# KiCad board final-cu.kicad_pcb
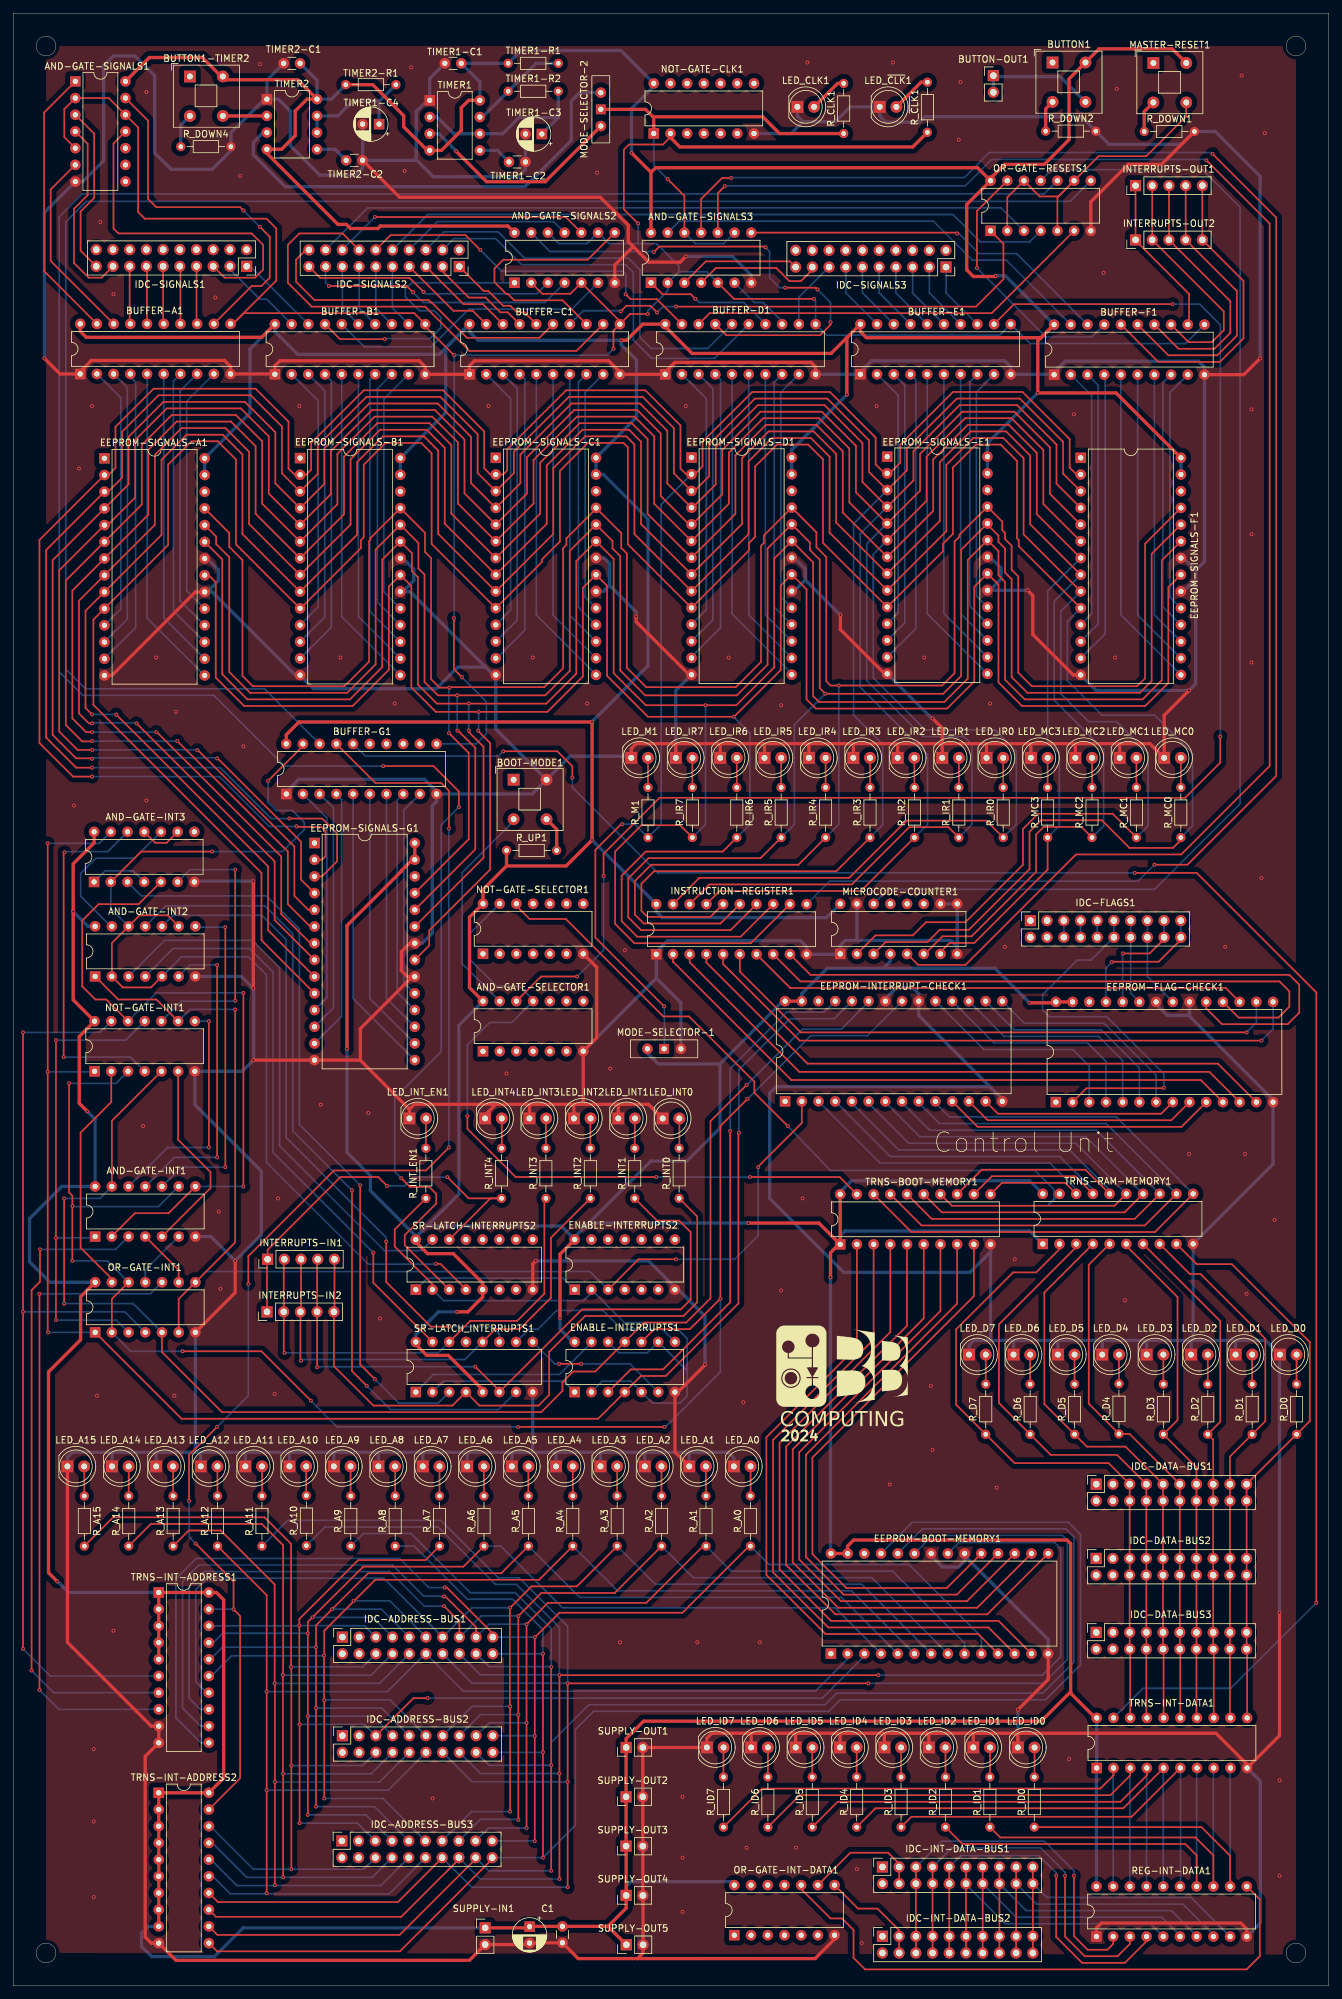
[diagram p0: board, top side]
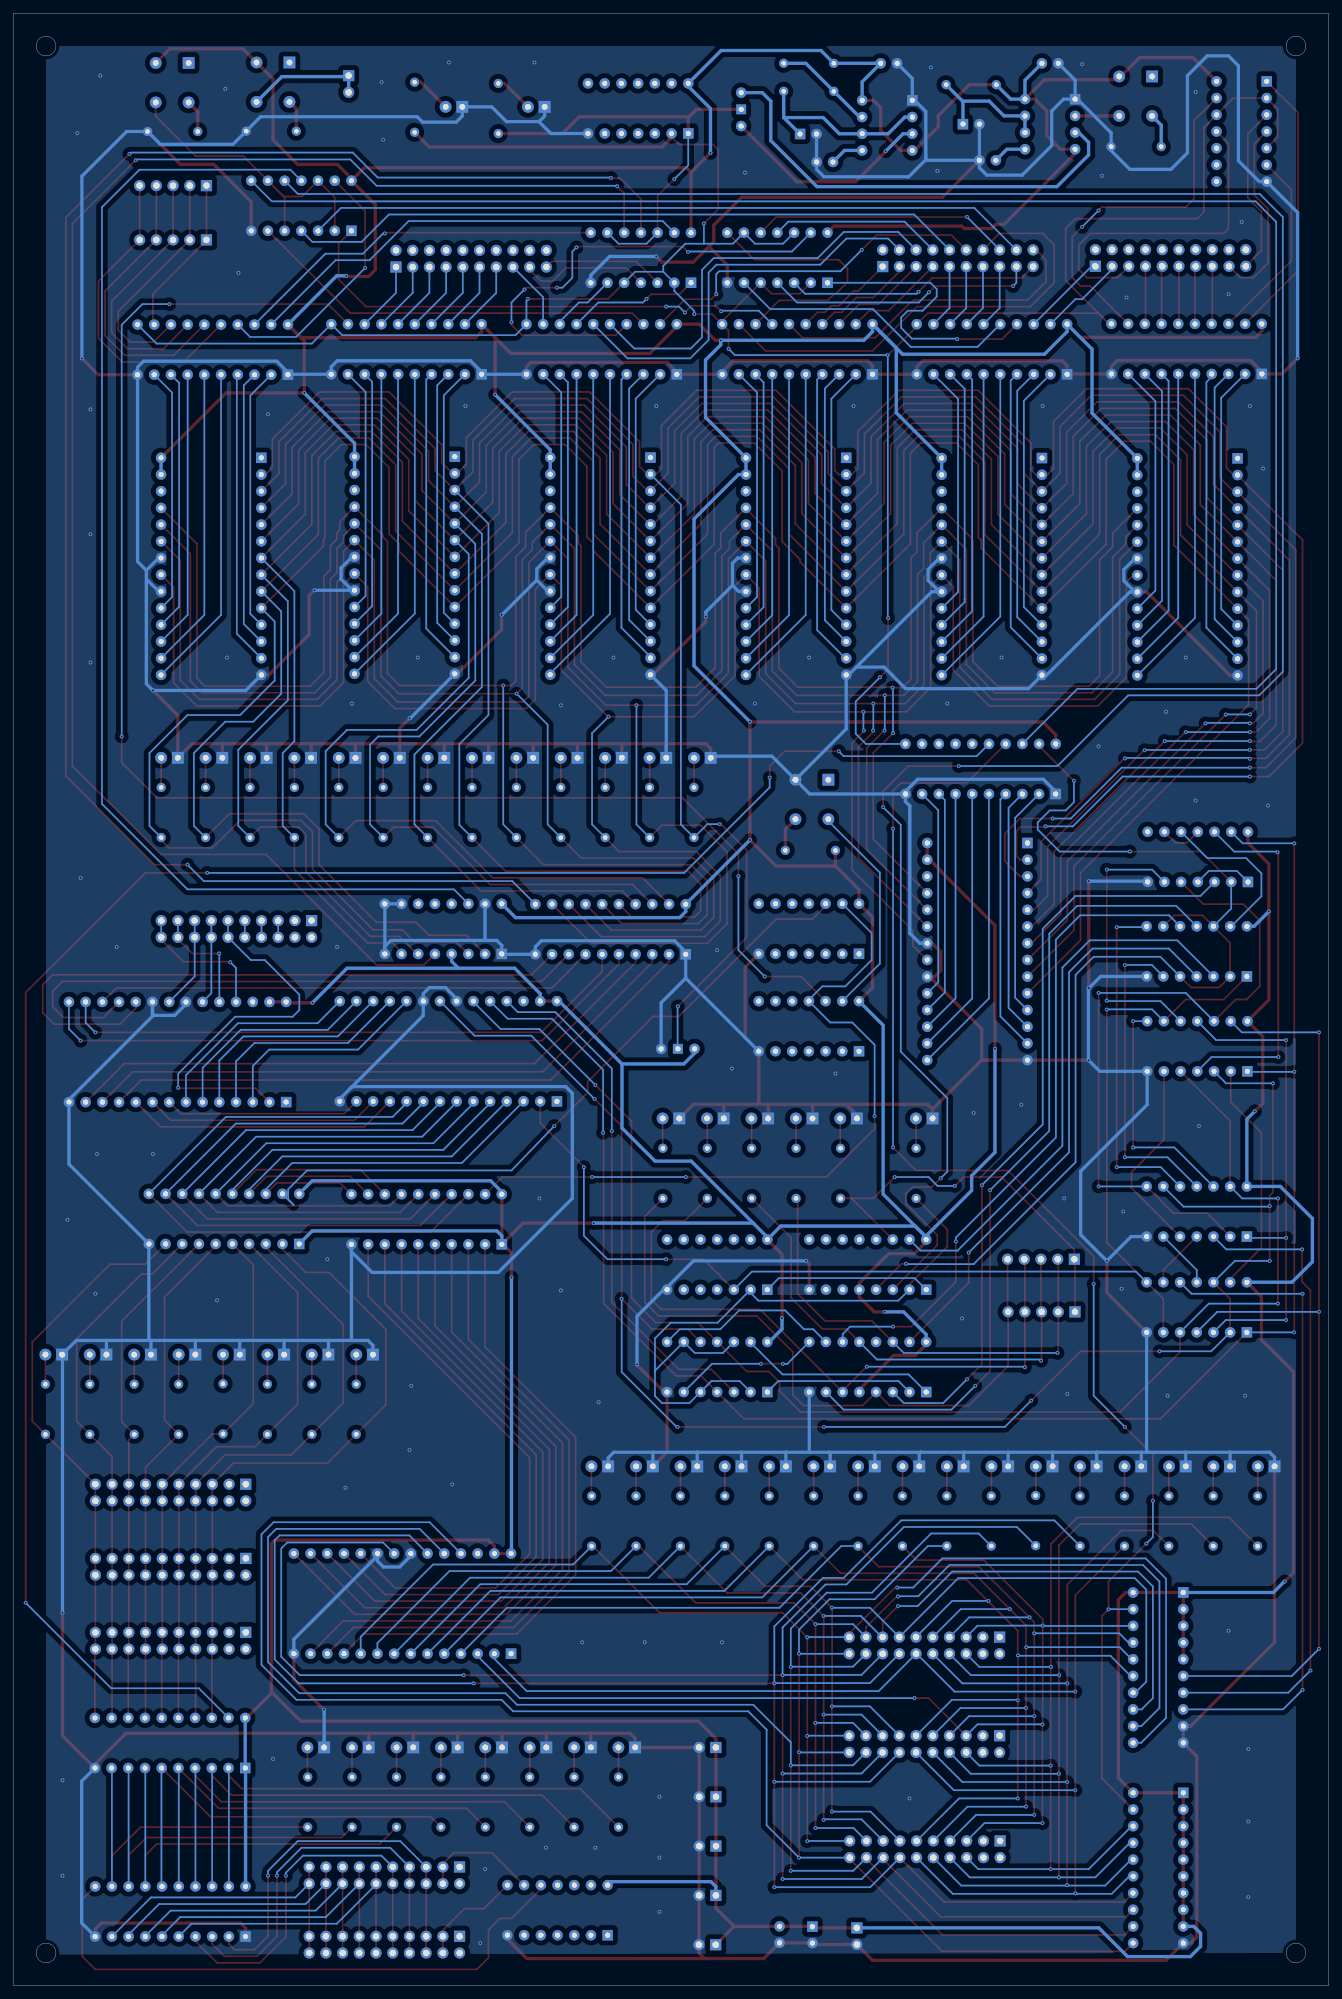
[diagram p1: board, bottom side, seen from below]

Outline 200 x 300 mm; copper layers: Top, Bottom. Coordinates in mm from the lower left corner of the outline.
Outline path: rectangle 0,300 200,0 ; circle c5,295 r1.5 ; circle c5,5 r1.5 ; circle c195,295 r1.5 ; circle c195,5 r1.5
Stack: Top 0.035mm / dielectric 1.51mm FR4 er 4.5 / Bottom 0.035mm

## Placement (name value [footprint] x y rotation side)
AND-GATE-INT1  CD4081BEE4  [DIP-14_W7.62mm]  12.46 113.95 90 top
AND-GATE-INT2  CD4081BEE4  [DIP-14_W7.62mm]  12.46 153.51 90 top
AND-GATE-INT3  CD4081BEE4  [DIP-14_W7.62mm]  12.3 167.88 90 top
AND-GATE-SELECTOR1  CD4081BEE4  [DIP-14_W7.62mm]  71.42 142.13 90 top
AND-GATE-SIGNALS1  CD4081BEE4  [DIP-14_W7.62mm]  9.45 289.62 0 top
AND-GATE-SIGNALS2  CD4081BEE4  [DIP-14_W7.62mm]  76.21 259 90 top
AND-GATE-SIGNALS3  CD4081BEE4  [DIP-14_W7.62mm]  96.96 259 90 top
BOOT-MODE1  SW_MEC_5E  [SW_Push_2P1T_Toggle_CK_PVA1xxH1xxxxxxV2]  76.08 183.42 0 top
BUFFER-A1  SN74HC574N  [DIP-20_W7.62mm]  10.19 245.13 90 top
BUFFER-B1  SN74HC574N  [DIP-20_W7.62mm]  39.79 245.08 90 top
BUFFER-C1  SN74HC574N  [DIP-20_W7.62mm]  69.37 245.08 90 top
BUFFER-D1  SN74HC574N  [DIP-20_W7.62mm]  99.12 245.08 90 top
BUFFER-E1  SN74HC574N  [DIP-20_W7.62mm]  128.79 245.08 90 top
BUFFER-F1  SN74HC574N  [DIP-20_W7.62mm]  158.24 245.02 90 top
BUFFER-G1  SN74HC574N  [DIP-20_W7.62mm]  41.51 181.25 90 top
BUTTON1  SW_MEC_5E  [SW_Push_2P1T_Toggle_CK_PVA1xxH1xxxxxxV2]  158 292.5 0 top
BUTTON1-TIMER2  SW_MEC_5E  [SW_Push_2P1T_Toggle_CK_PVA1xxH1xxxxxxV2]  26.87 290.37 0 top
BUTTON-OUT1  Conn-1x2  [PinHeader_1x02_P2.54mm_Vertical]  149 290.5 0 top
C1  C_Polarized_US  [CP_Radial_D5.0mm_P2.50mm]  78.5 9 270 top
C2  C  [C_Disc_D3.0mm_W1.6mm_P2.50mm]  83.5 9.04 270 top
EEPROM-BOOT-MEMORY1  AT28C64B-15PU  [DIP-28_W15.24mm]  124.31 50.51 90 top
EEPROM-FLAG-CHECK1  AT28C64B-15PU  [DIP-28_W15.24mm]  158.5 134.4 90 top
EEPROM-INTERRUPT-CHECK1  AT28C64B-15PU  [DIP-28_W15.24mm]  117.34 134.51 90 top
EEPROM-SIGNALS-A1  AT28C64B-15PU  [DIP-28_W15.24mm]  13.88 232.3 0 top
EEPROM-SIGNALS-B1  AT28C64B-15PU  [DIP-28_W15.24mm]  43.62 232.34 0 top
EEPROM-SIGNALS-C1  AT28C64B-15PU  [DIP-28_W15.24mm]  73.37 232.38 0 top
EEPROM-SIGNALS-D1  AT28C64B-15PU  [DIP-28_W15.24mm]  103.12 232.42 0 top
EEPROM-SIGNALS-E1  AT28C64B-15PU  [DIP-28_W15.24mm]  132.87 232.55 0 top
EEPROM-SIGNALS-F1  AT28C64B-15PU  [DIP-28_W15.24mm]  162.28 232.38 0 top
EEPROM-SIGNALS-G1  AT28C64B-15PU  [DIP-28_W15.24mm]  45.81 173.8 0 top
ENABLE-INTERRUPTS1  CD4081BEE4  [DIP-14_W7.62mm]  85.36 90.31 90 top
ENABLE-INTERRUPTS2  CD4081BEE4  [DIP-14_W7.62mm]  85.36 105.88 90 top
G***  LOGO  [bb-logo]  126 92.75 0 top
IDC-ADDRESS-BUS1  DS1013-20SSIB1-B-0  [PinSocket_2x10_P2.54mm_Vertical]  50.05 53.04 90 top
IDC-ADDRESS-BUS2  DS1013-20SSIB1-B-0  [PinSocket_2x10_P2.54mm_Vertical]  50.05 38.04 90 top
IDC-ADDRESS-BUS3  DS1013-20SSIB1-B-0  [PinSocket_2x10_P2.54mm_Vertical]  49.97 22.04 90 top
IDC-DATA-BUS1  DS1013-20SSIB1-B-0  [PinSocket_2x10_P2.54mm_Vertical]  164.64 76.29 90 top
IDC-DATA-BUS2  DS1013-20SSIB1-B-0  [PinSocket_2x10_P2.54mm_Vertical]  164.63 65 90 top
IDC-DATA-BUS3  DS1013-20SSIB1-B-0  [PinSocket_2x10_P2.54mm_Vertical]  164.64 53.75 90 top
IDC-FLAGS1  DS1013-20SSIB1-B-0  [PinSocket_2x10_P2.54mm_Vertical]  154.63 162 90 top
IDC-INT-DATA-BUS1  DS1013-20SSIB1-B-0  [PinSocket_2x10_P2.54mm_Vertical]  132.14 18.08 90 top
IDC-INT-DATA-BUS2  DS1013-20SSIB1-B-0  [PinSocket_2x10_P2.54mm_Vertical]  132.14 7.54 90 top
IDC-SIGNALS1  DS1013-20SSIB1-B-0  [PinSocket_2x10_P2.54mm_Vertical]  35.49 261.5 270 top
IDC-SIGNALS2  DS1013-20SSIB1-B-0  [PinSocket_2x10_P2.54mm_Vertical]  67.82 261.46 270 top
IDC-SIGNALS3  DS1013-20SSIB1-B-0  [PinSocket_2x10_P2.54mm_Vertical]  141.81 261.39 270 top
INSTRUCTION-REGISTER1  SN74HC574N  [DIP-20_W7.62mm]  97.76 156.88 90 top
INTERRUPTS-IN1  Conn-1x5  [PinHeader_1x05_P2.54mm_Vertical]  38.68 110.5 90 top
INTERRUPTS-IN2  Conn-1x5  [PinHeader_1x05_P2.54mm_Vertical]  38.59 102.5 90 top
INTERRUPTS-OUT1  Conn-1x5  [PinHeader_1x05_P2.54mm_Vertical]  170.62 273.77 90 top
INTERRUPTS-OUT2  Conn-1x5  [PinHeader_1x05_P2.54mm_Vertical]  170.62 265.52 90 top
LED_A0  LED  [LED_D5.0mm_FlatTop]  109.56 79 0 top
LED_A1  LED  [LED_D5.0mm_FlatTop]  102.76 79 0 top
LED_A2  LED  [LED_D5.0mm_FlatTop]  96.01 79 0 top
LED_A3  LED  [LED_D5.0mm_FlatTop]  89.28 79 0 top
LED_A4  LED  [LED_D5.0mm_FlatTop]  82.53 79 0 top
LED_A5  LED  [LED_D5.0mm_FlatTop]  75.81 79 0 top
LED_A6  LED  [LED_D5.0mm_FlatTop]  69.02 79 0 top
LED_A7  LED  [LED_D5.0mm_FlatTop]  62.27 79 0 top
LED_A8  LED  [LED_D5.0mm_FlatTop]  55.52 79 0 top
LED_A9  LED  [LED_D5.0mm_FlatTop]  48.75 79 0 top
LED_A10  LED  [LED_D5.0mm_FlatTop]  42 79 0 top
LED_A11  LED  [LED_D5.0mm_FlatTop]  35.29 79 0 top
LED_A12  LED  [LED_D5.0mm_FlatTop]  28.52 79 0 top
LED_A13  LED  [LED_D5.0mm_FlatTop]  21.75 79 0 top
LED_A14  LED  [LED_D5.0mm_FlatTop]  15.02 79 0 top
LED_A15  LED  [LED_D5.0mm_FlatTop]  8.25 79 0 top
LED_CLK1  LED  [LED_D5.0mm_FlatTop]  119.21 285.75 0 top
LED_D0  LED  [LED_D5.0mm_FlatTop]  192.56 96 0 top
LED_D1  LED  [LED_D5.0mm_FlatTop]  185.82 96 0 top
LED_D2  LED  [LED_D5.0mm_FlatTop]  179.06 96 0 top
LED_D3  LED  [LED_D5.0mm_FlatTop]  172.31 96 0 top
LED_D4  LED  [LED_D5.0mm_FlatTop]  165.56 96 0 top
LED_D5  LED  [LED_D5.0mm_FlatTop]  158.81 96 0 top
LED_D6  LED  [LED_D5.0mm_FlatTop]  152.07 96 0 top
LED_D7  LED  [LED_D5.0mm_FlatTop]  145.31 96 0 top
LED_ID0  LED  [LED_D5.0mm_FlatTop]  152.72 36.25 0 top
LED_ID1  LED  [LED_D5.0mm_FlatTop]  145.95 36.26 0 top
LED_ID2  LED  [LED_D5.0mm_FlatTop]  139.19 36.26 0 top
LED_ID3  LED  [LED_D5.0mm_FlatTop]  132.44 36.26 0 top
LED_ID4  LED  [LED_D5.0mm_FlatTop]  125.69 36.26 0 top
LED_ID5  LED  [LED_D5.0mm_FlatTop]  118.95 36.26 0 top
LED_ID6  LED  [LED_D5.0mm_FlatTop]  112.19 36.26 0 top
LED_ID7  LED  [LED_D5.0mm_FlatTop]  105.45 36.26 0 top
LED_INT0  LED  [LED_D5.0mm_FlatTop]  98.74 131.91 0 top
LED_INT1  LED  [LED_D5.0mm_FlatTop]  91.99 131.91 0 top
LED_INT2  LED  [LED_D5.0mm_FlatTop]  85.23 131.91 0 top
LED_INT3  LED  [LED_D5.0mm_FlatTop]  78.48 131.91 0 top
LED_INT4  LED  [LED_D5.0mm_FlatTop]  71.73 131.91 0 top
LED_INT_EN1  LED  [LED_D5.0mm_FlatTop]  60.23 131.91 0 top
LED_IR0  LED  [LED_D5.0mm_FlatTop]  147.96 186.75 0 top
LED_IR1  LED  [LED_D5.0mm_FlatTop]  141.22 186.75 0 top
LED_IR2  LED  [LED_D5.0mm_FlatTop]  134.46 186.75 0 top
LED_IR3  LED  [LED_D5.0mm_FlatTop]  127.71 186.75 0 top
LED_IR4  LED  [LED_D5.0mm_FlatTop]  120.96 186.75 0 top
LED_IR5  LED  [LED_D5.0mm_FlatTop]  114.21 186.75 0 top
LED_IR6  LED  [LED_D5.0mm_FlatTop]  107.47 186.75 0 top
LED_IR7  LED  [LED_D5.0mm_FlatTop]  100.72 186.75 0 top
LED_M1  LED  [LED_D5.0mm_FlatTop]  93.96 186.75 0 top
LED_MC0  LED  [LED_D5.0mm_FlatTop]  174.96 186.75 0 top
LED_MC1  LED  [LED_D5.0mm_FlatTop]  168.21 186.75 0 top
LED_MC2  LED  [LED_D5.0mm_FlatTop]  161.46 186.75 0 top
LED_MC3  LED  [LED_D5.0mm_FlatTop]  154.71 186.75 0 top
LED_~{CLK}1  LED  [LED_D5.0mm_FlatTop]  131.72 285.75 0 top
MASTER-RESET1  SW_MEC_5E  [SW_Push_2P1T_Toggle_CK_PVA1xxH1xxxxxxV2]  173.33 292.42 0 top
MICROCODE-COUNTER1  CD74HC193E  [DIP-16_W7.62mm]  125.72 156.93 90 top
MODE-SELECTOR-1  SW_DPDT_x2  [SW_Slide-03_Wuerth-WS-SLTV_10x2.5x6.4_P2.54mm]  98.96 142.5 0 top
MODE-SELECTOR-2  SW_DPDT_x2  [SW_Slide-03_Wuerth-WS-SLTV_10x2.5x6.4_P2.54mm]  89.33 285.37 90 top
NOT-GATE-CLK1  CD74HC04E  [DIP-14_W7.62mm]  97.38 281.7 90 top
NOT-GATE-INT1  CD74HC04E  [DIP-14_W7.62mm]  12.38 139.08 90 top
NOT-GATE-SELECTOR1  CD74HC04E  [DIP-14_W7.62mm]  71.42 156.95 90 top
OR-GATE-INT1  CD4071BEE4  [DIP-14_W7.62mm]  12.46 99.38 90 top
OR-GATE-INT-DATA1  CD4071BEE4  [DIP-14_W7.62mm]  109.62 7.7 90 top
OR-GATE-RESETS1  CD4071BEE4  [DIP-14_W7.62mm]  148.58 266.9 90 top
R_A0  R_US  [R_Axial_DIN0204_L3.6mm_D1.6mm_P7.62mm_Horizontal]  112.07 66.88 90 top
R_A1  R_US  [R_Axial_DIN0204_L3.6mm_D1.6mm_P7.62mm_Horizontal]  105.32 66.88 90 top
R_A2  R_US  [R_Axial_DIN0204_L3.6mm_D1.6mm_P7.62mm_Horizontal]  98.57 66.88 90 top
R_A3  R_US  [R_Axial_DIN0204_L3.6mm_D1.6mm_P7.62mm_Horizontal]  91.82 66.88 90 top
R_A4  R_US  [R_Axial_DIN0204_L3.6mm_D1.6mm_P7.62mm_Horizontal]  85.07 66.88 90 top
R_A5  R_US  [R_Axial_DIN0204_L3.6mm_D1.6mm_P7.62mm_Horizontal]  78.32 66.88 90 top
R_A6  R_US  [R_Axial_DIN0204_L3.6mm_D1.6mm_P7.62mm_Horizontal]  71.57 66.88 90 top
R_A7  R_US  [R_Axial_DIN0204_L3.6mm_D1.6mm_P7.62mm_Horizontal]  64.82 66.88 90 top
R_A8  R_US  [R_Axial_DIN0204_L3.6mm_D1.6mm_P7.62mm_Horizontal]  58.07 66.88 90 top
R_A9  R_US  [R_Axial_DIN0204_L3.6mm_D1.6mm_P7.62mm_Horizontal]  51.32 66.88 90 top
R_A10  R_US  [R_Axial_DIN0204_L3.6mm_D1.6mm_P7.62mm_Horizontal]  44.57 66.94 90 top
R_A11  R_US  [R_Axial_DIN0204_L3.6mm_D1.6mm_P7.62mm_Horizontal]  37.82 66.88 90 top
R_A12  R_US  [R_Axial_DIN0204_L3.6mm_D1.6mm_P7.62mm_Horizontal]  31.07 66.88 90 top
R_A13  R_US  [R_Axial_DIN0204_L3.6mm_D1.6mm_P7.62mm_Horizontal]  24.32 66.88 90 top
R_A14  R_US  [R_Axial_DIN0204_L3.6mm_D1.6mm_P7.62mm_Horizontal]  17.57 66.88 90 top
R_A15  R_US  [R_Axial_DIN0204_L3.6mm_D1.6mm_P7.62mm_Horizontal]  10.82 74.5 270 top
R_CLK1  R_US  [R_Axial_DIN0204_L3.6mm_D1.6mm_P7.62mm_Horizontal]  126.25 281.69 90 top
R_D0  R_US  [R_Axial_DIN0204_L3.6mm_D1.6mm_P7.62mm_Horizontal]  195.09 83.88 90 top
R_D1  R_US  [R_Axial_DIN0204_L3.6mm_D1.6mm_P7.62mm_Horizontal]  188.34 83.88 90 top
R_D2  R_US  [R_Axial_DIN0204_L3.6mm_D1.6mm_P7.62mm_Horizontal]  181.59 83.88 90 top
R_D3  R_US  [R_Axial_DIN0204_L3.6mm_D1.6mm_P7.62mm_Horizontal]  174.84 83.88 90 top
R_D4  R_US  [R_Axial_DIN0204_L3.6mm_D1.6mm_P7.62mm_Horizontal]  168.09 83.94 90 top
R_D5  R_US  [R_Axial_DIN0204_L3.6mm_D1.6mm_P7.62mm_Horizontal]  161.34 83.88 90 top
R_D6  R_US  [R_Axial_DIN0204_L3.6mm_D1.6mm_P7.62mm_Horizontal]  154.59 83.88 90 top
R_D7  R_US  [R_Axial_DIN0204_L3.6mm_D1.6mm_P7.62mm_Horizontal]  147.84 83.88 90 top
R_DOWN1  R_US  [R_Axial_DIN0204_L3.6mm_D1.6mm_P7.62mm_Horizontal]  171.94 282 0 top
R_DOWN2  R_US  [R_Axial_DIN0204_L3.6mm_D1.6mm_P7.62mm_Horizontal]  156.96 282.06 0 top
R_DOWN4  R_US  [R_Axial_DIN0204_L3.6mm_D1.6mm_P7.62mm_Horizontal]  25.48 279.7 0 top
R_ID0  R_US  [R_Axial_DIN0204_L3.6mm_D1.6mm_P7.62mm_Horizontal]  155.22 24.14 90 top
R_ID1  R_US  [R_Axial_DIN0204_L3.6mm_D1.6mm_P7.62mm_Horizontal]  148.47 24.14 90 top
R_ID2  R_US  [R_Axial_DIN0204_L3.6mm_D1.6mm_P7.62mm_Horizontal]  141.72 24.14 90 top
R_ID3  R_US  [R_Axial_DIN0204_L3.6mm_D1.6mm_P7.62mm_Horizontal]  134.97 24.14 90 top
R_ID4  R_US  [R_Axial_DIN0204_L3.6mm_D1.6mm_P7.62mm_Horizontal]  128.22 24.14 90 top
R_ID5  R_US  [R_Axial_DIN0204_L3.6mm_D1.6mm_P7.62mm_Horizontal]  121.47 24.14 90 top
R_ID6  R_US  [R_Axial_DIN0204_L3.6mm_D1.6mm_P7.62mm_Horizontal]  114.72 24.14 90 top
R_ID7  R_US  [R_Axial_DIN0204_L3.6mm_D1.6mm_P7.62mm_Horizontal]  107.97 24.14 90 top
R_INT0  R_US  [R_Axial_DIN0204_L3.6mm_D1.6mm_P7.62mm_Horizontal]  101.24 119.76 90 top
R_INT1  R_US  [R_Axial_DIN0204_L3.6mm_D1.6mm_P7.62mm_Horizontal]  94.49 119.76 90 top
R_INT2  R_US  [R_Axial_DIN0204_L3.6mm_D1.6mm_P7.62mm_Horizontal]  87.73 119.76 90 top
R_INT3  R_US  [R_Axial_DIN0204_L3.6mm_D1.6mm_P7.62mm_Horizontal]  80.98 119.76 90 top
R_INT4  R_US  [R_Axial_DIN0204_L3.6mm_D1.6mm_P7.62mm_Horizontal]  74.23 119.76 90 top
R_INT_EN1  R_US  [R_Axial_DIN0204_L3.6mm_D1.6mm_P7.62mm_Horizontal]  62.73 119.76 90 top
R_IR0  R_US  [R_Axial_DIN0204_L3.6mm_D1.6mm_P7.62mm_Horizontal]  150.5 174.63 90 top
R_IR1  R_US  [R_Axial_DIN0204_L3.6mm_D1.6mm_P7.62mm_Horizontal]  143.75 174.63 90 top
R_IR2  R_US  [R_Axial_DIN0204_L3.6mm_D1.6mm_P7.62mm_Horizontal]  137 174.63 90 top
R_IR3  R_US  [R_Axial_DIN0204_L3.6mm_D1.6mm_P7.62mm_Horizontal]  130.25 174.63 90 top
R_IR4  R_US  [R_Axial_DIN0204_L3.6mm_D1.6mm_P7.62mm_Horizontal]  123.5 174.63 90 top
R_IR5  R_US  [R_Axial_DIN0204_L3.6mm_D1.6mm_P7.62mm_Horizontal]  116.75 174.63 90 top
R_IR6  R_US  [R_Axial_DIN0204_L3.6mm_D1.6mm_P7.62mm_Horizontal]  110 182.25 270 top
R_IR7  R_US  [R_Axial_DIN0204_L3.6mm_D1.6mm_P7.62mm_Horizontal]  103.25 174.63 90 top
R_M1  R_US  [R_Axial_DIN0204_L3.6mm_D1.6mm_P7.62mm_Horizontal]  96.5 174.63 90 top
R_MC0  R_US  [R_Axial_DIN0204_L3.6mm_D1.6mm_P7.62mm_Horizontal]  177.5 174.63 90 top
R_MC1  R_US  [R_Axial_DIN0204_L3.6mm_D1.6mm_P7.62mm_Horizontal]  170.75 174.63 90 top
R_MC2  R_US  [R_Axial_DIN0204_L3.6mm_D1.6mm_P7.62mm_Horizontal]  164 174.63 90 top
R_MC3  R_US  [R_Axial_DIN0204_L3.6mm_D1.6mm_P7.62mm_Horizontal]  157.25 174.63 90 top
R_UP1  R_US  [R_Axial_DIN0204_L3.6mm_D1.6mm_P7.62mm_Horizontal]  75 172.67 0 top
R_~{CLK}1  R_US  [R_Axial_DIN0204_L3.6mm_D1.6mm_P7.62mm_Horizontal]  138.97 281.88 90 top
REG-INT-DATA1  SN74HC574N  [DIP-20_W7.62mm]  164.67 7.5 90 top
SR-LATCH-INTERRUPTS2  CD4043BEE4  [DIP-16_W7.62mm]  61.2 105.88 90 top
SR-LATCH_INTERRUPTS1  CD4043BEE4  [DIP-16_W7.62mm]  61.2 90.31 90 top
SUPPLY-IN1  Conn-1x2  [PinHeader_1x02_P2.54mm_Vertical]  71.75 8.82 0 top
SUPPLY-OUT1  Conn-1x2  [PinHeader_1x02_P2.54mm_Vertical]  93.19 36.25 90 top
SUPPLY-OUT2  Conn-1x2  [PinHeader_1x02_P2.54mm_Vertical]  93.17 28.75 90 top
SUPPLY-OUT3  Conn-1x2  [PinHeader_1x02_P2.54mm_Vertical]  93.17 21.25 90 top
SUPPLY-OUT4  Conn-1x2  [PinHeader_1x02_P2.54mm_Vertical]  93.19 13.75 90 top
SUPPLY-OUT5  Conn-1x2  [PinHeader_1x02_P2.54mm_Vertical]  93.21 6.25 90 top
TIMER1  LMC555xN  [DIP-8_W7.62mm]  63.32 286.74 0 top
TIMER1-C1  C  [C_Disc_D3.0mm_W1.6mm_P2.50mm]  68.12 292.37 180 top
TIMER1-C2  C  [C_Disc_D3.0mm_W1.6mm_P2.50mm]  75.37 277.37 0 top
TIMER1-C3  C_Polarized_US  [CP_Radial_D5.0mm_P2.50mm]  80.37 281.62 180 top
TIMER1-C4  C_Polarized_US  [CP_Radial_D5.0mm_P2.50mm]  55.62 283.12 180 top
TIMER1-R1  R_US  [R_Axial_DIN0204_L3.6mm_D1.6mm_P7.62mm_Horizontal]  75.25 292.37 0 top
TIMER1-R2  R_US  [R_Axial_DIN0204_L3.6mm_D1.6mm_P7.62mm_Horizontal]  75.25 288.12 0 top
TIMER2  LMC555xN  [DIP-8_W7.62mm]  38.57 286.92 0 top
TIMER2-C1  C  [C_Disc_D3.0mm_W1.6mm_P2.50mm]  43.62 292.37 180 top
TIMER2-C2  C  [C_Disc_D3.0mm_W1.6mm_P2.50mm]  50.62 277.62 0 top
TIMER2-R1  R_US  [R_Axial_DIN0204_L3.6mm_D1.6mm_P7.62mm_Horizontal]  50.56 289.12 0 top
TRNS-BOOT-MEMORY1  SN74AC245N  [DIP-20_W7.62mm]  125.72 112.76 90 top
TRNS-INT-ADDRESS1  SN74AC245N  [DIP-20_W7.62mm]  22.13 59.82 0 top
TRNS-INT-ADDRESS2  SN74AC245N  [DIP-20_W7.62mm]  22.13 29.36 0 top
TRNS-INT-DATA1  SN74AC245N  [DIP-20_W7.62mm]  164.72 33.13 90 top